# KiCad board board_delta.kicad_pcb (continued)
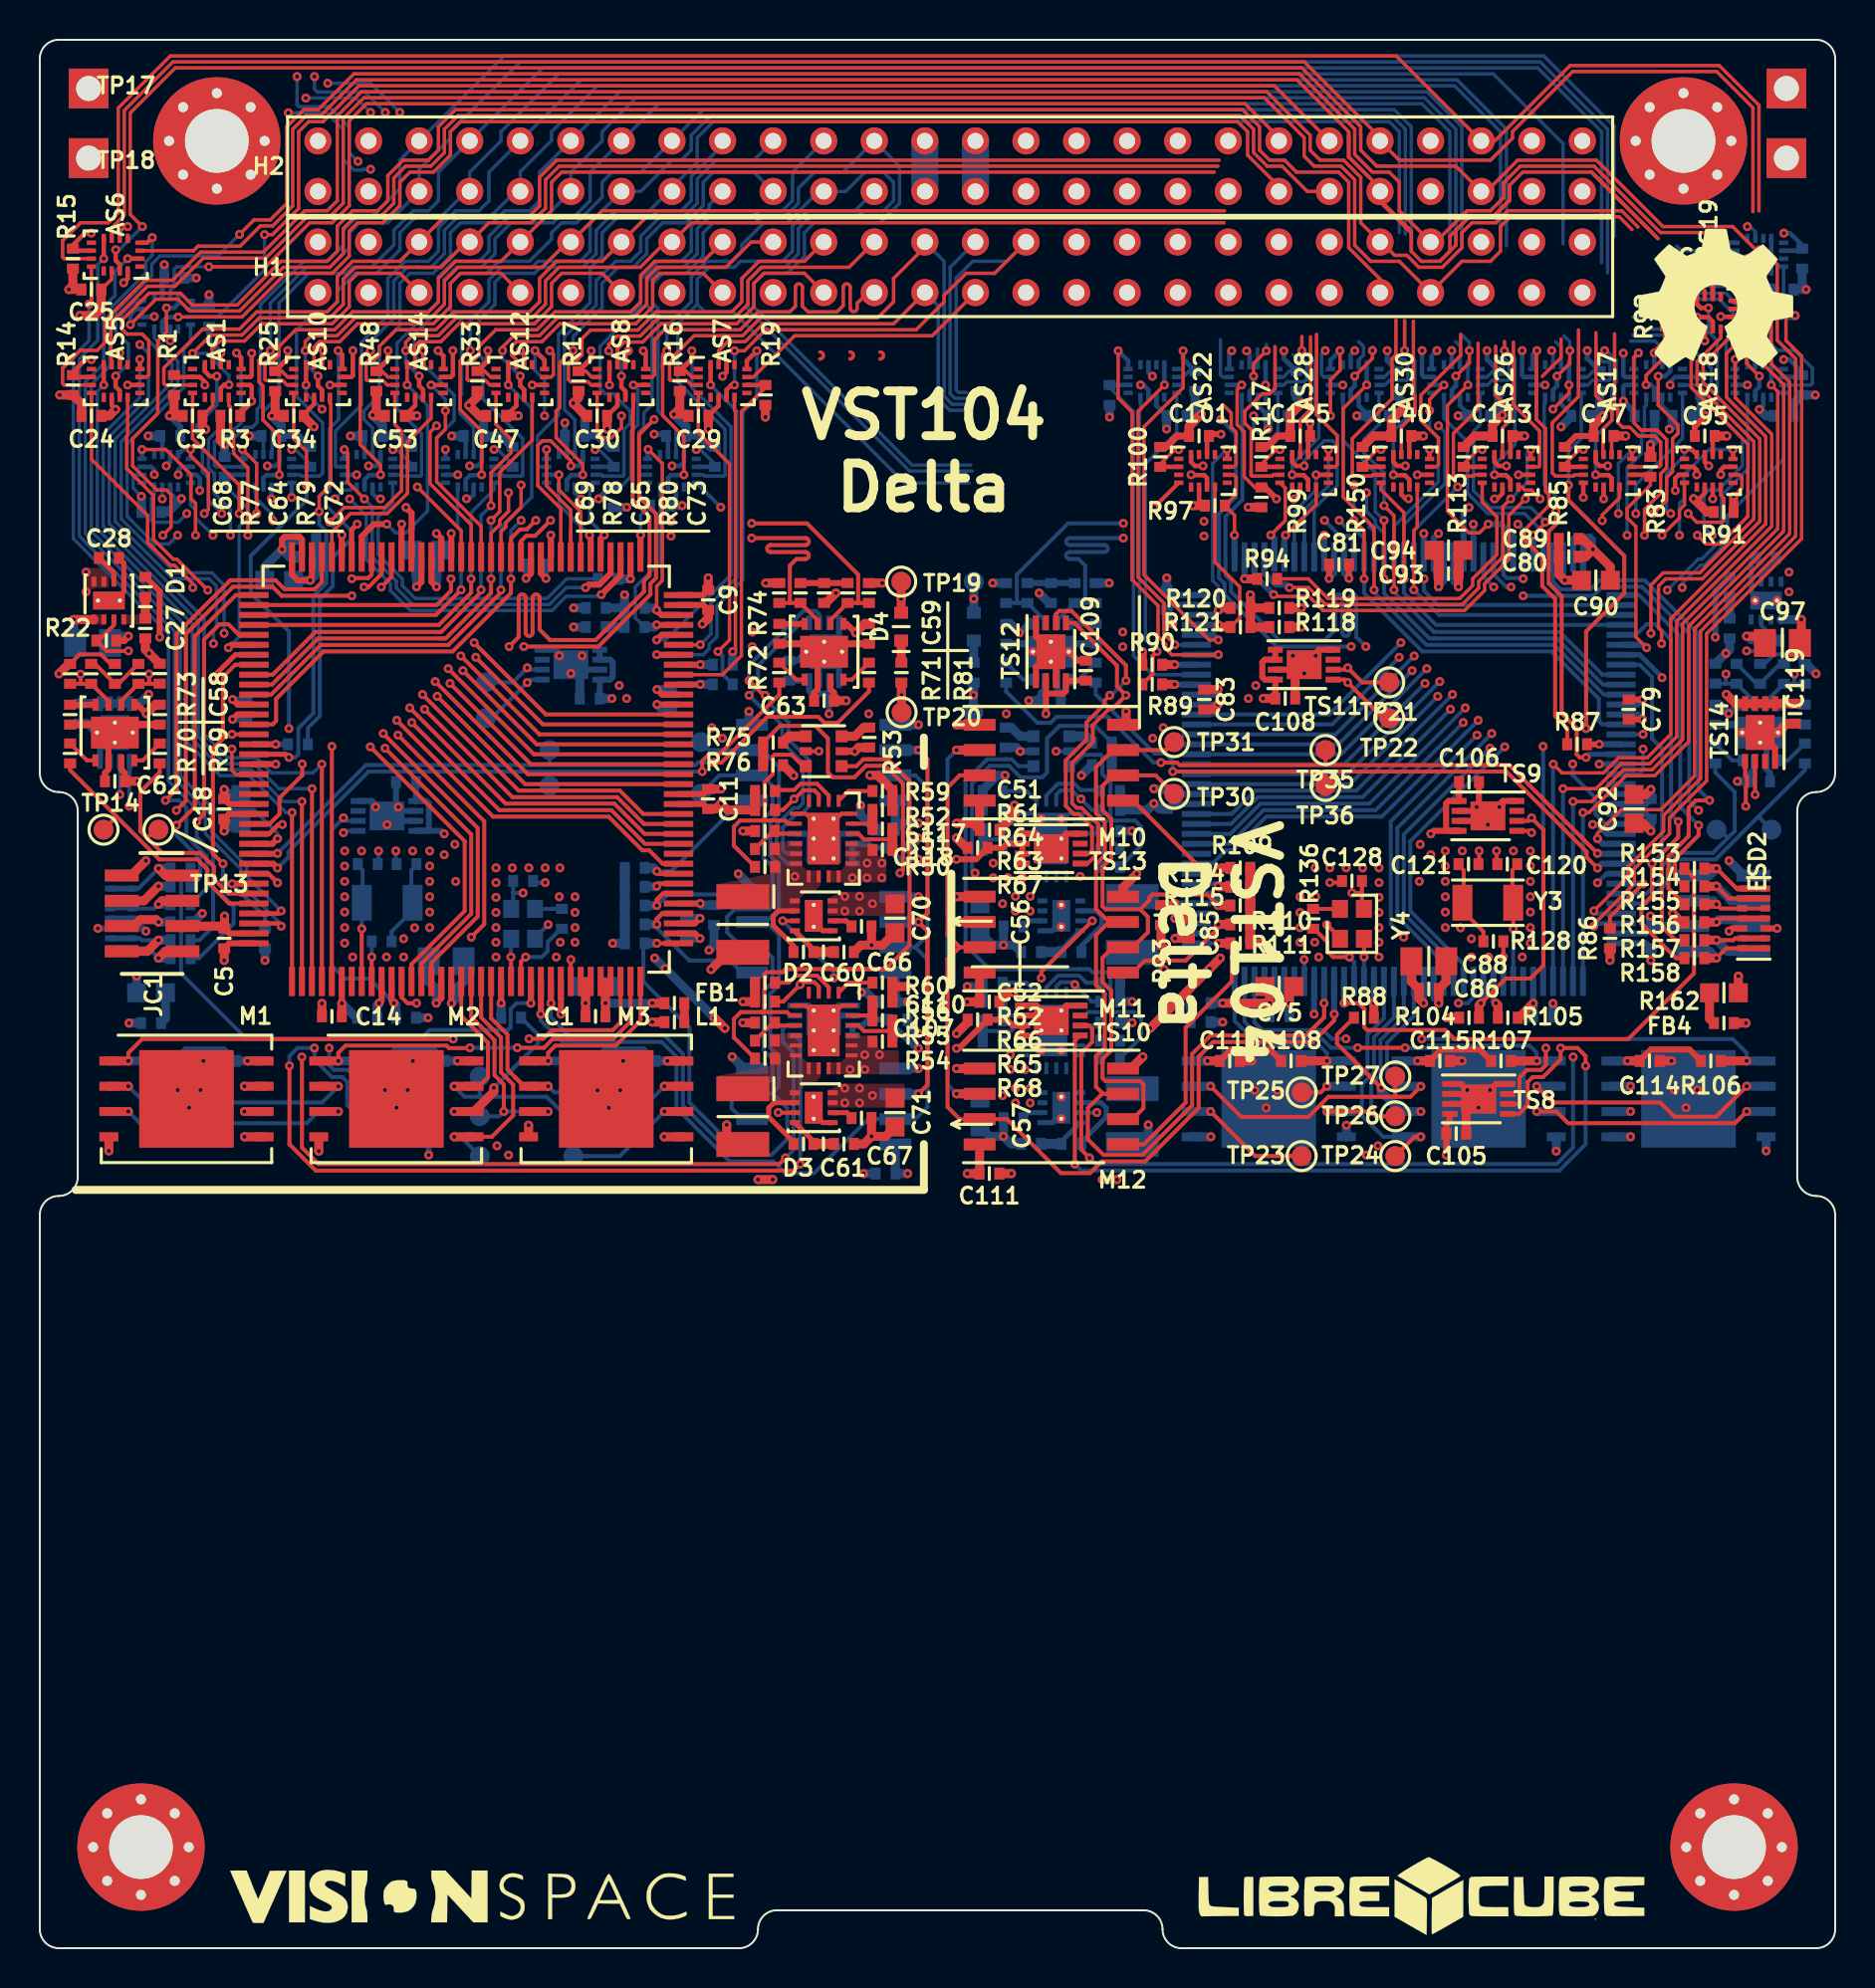
[diagram p0: board, top side]
## Routing (per net, layer and track width the routed paths; a pad name or vN(x,y) marks a point on that pad's centre or on a via; arc(x,y) is an arc through that point) (continued)
  Bottom w0.2: 65,47.5 U4.26
  Bottom w0.3: U4.26 65,46.94 v1(65.01,46.93)
/OBC_right/I2C2_EN: length 11.5
  In2.Cu w0.2: v1(85.72,65.18) 85.01,64.47 84.47,64.47 80.99,60.99 v1(80.52,60.99)
  Bottom w0.2: Q4.3 86.45,66.48 87.23,65.7 R103.1 86.8,65.17 85.9,65.17 85.89,65.18 v1(85.72,65.18) 85.82,65.18 ; v1(80.52,60.99) 79.42,60.99 U4.123
/OBC_right/I2C2_SCL: length 126
  Top w0.19: TS13.2 52.67,55 52.85,55.17 52.85,56.32 52.19,56.98 51.94,56.98 51.53,57.39 51.53,59.68 52.57,60.73 52.57,61.59 53.48,62.51 53.48,62.69 v1(53.74,62.95)
  Top w0.2: v1(75.64,45.23) 75.64,44.37 75.39,44.13 74.69,44.13 74.32,43.75 74.32,42.45 74.29,42.42 TS8.2 ; v1(52.72,39.71) 52.31,40.12 52.31,44.98 52.85,45.53 52.85,46.19 52.68,46.36 TS10.2 ; v1(72.38,47.48) 73.62,48.72 74.86,48.72 75.52,49.38 75.52,56.19 v1(74.92,56.79) 74.77,56.64 TS9.2 ; v1(86.15,57.96) TS14.2 ; TS12.2 51.03,67.02 51.2,67.19 51.81,67.19 54.55,64.45 v1(54.55,63.69) ; TS11.2 65.6,64.24 v1(65.69,64.33) 66.42,63.6 TP21.1
  Top w0.45: v1(72.38,47.48) 72.28,47.38 R104.2
  In2.Cu w0.2: v1(54.55,63.69) 55.19,63.05 57.85,63.05 59.07,64.27 63.05,64.27 63.28,64.5 63.84,64.5 64.01,64.33 v1(65.69,64.33) 65.69,64.26 66.14,63.81 66.14,63.6 71.63,58.12 73.66,58.12 74.92,56.85 v1(74.92,56.79) ; v1(86.15,57.96) 86.15,56.86 82.79,53.5 82.79,48.54 79.03,44.78 77.02,44.78 v1(77.01,44.78) 77.01,44.77 76.09,44.77 v1(75.64,45.23) 74.63,45.23 v1(72.38,47.48)
  Bottom w0.2: v1(53.74,62.95) 53.81,62.95 v1(54.55,63.69) ; v1(52.72,39.71) 53.03,39.4 76.18,39.4 77,40.22 77,44.77 v1(77.01,44.78)
  Bottom w0.3: U4.11 72.5,47.6 v1(72.38,47.48)
/OBC_right/I2C2_SDA: length 125.8
  Top w0.19: TS13.1 52.62,54.5 53.16,55.04 53.16,56.45 52.32,57.29 52.08,57.29 51.84,57.53 51.84,59.55 52.89,60.6 52.89,61.45 53.73,62.29 53.89,62.29 ; v1(54.55,62.95) 53.89,62.29 ; 53.89,62.29 54.12,62.52
  Top w0.2: v1(77.63,44.33) 77.63,44.82 77.23,45.23 76.37,45.23 v1(76.38,45.23) 76.38,44.65 75.5,43.77 74.98,43.77 74.73,43.52 74.73,42.36 74.29,41.92 TS8.1 ; TS10.1 51.98,45.59 v1(51.98,39.4) ; TS12.1 51.95,66.59 54.1,64.44 54.1,63.4 v1(54.55,62.95) 54.12,62.52 ; TP22.1 67.48,61.8 v1(65.69,63.59) 65.54,63.74 TS11.1 ; v1(85.68,57.38) 85.68,58.33 85.74,58.39 85.74,58.85 85.65,58.94 TS14.1 ; v1(74.92,56.05) 74.83,56.14 TS9.1
  Top w0.45: v1(73.13,47.48) 73.23,47.38 R105.2
  In2.Cu w0.2: v1(54.55,62.95) 54.78,62.72 57.98,62.72 59.15,63.89 62.99,63.89 63.29,63.59 v1(65.69,63.59) 71.49,57.79 73.52,57.79 74.37,56.94 74.37,56.6 v1(74.92,56.05) 75.12,56.05 75.52,55.65 75.52,49.39 74.85,48.72 74.37,48.72 v1(73.13,47.48) 74.93,45.68 75.93,45.68 v1(76.38,45.23) 76.38,45.23 79.01,45.23 82.46,48.68 82.46,53.91 85.68,57.13 v1(85.68,57.38)
  Bottom w0.2: v1(77.63,44.33) 77.63,40.39 76.31,39.07 52.31,39.07 v1(51.98,39.4)
  Bottom w0.3: v1(73.13,47.48) 73,47.61 U4.10
/OBC_right/I2C3_EN: length 18.8
  In2.Cu w0.173: v1(64.52,71.74) 62.54,71.74 60.49,73.79 60.49,77.04 59.62,77.9 59.62,78.87 60.57,79.82 62.04,79.82 v1(62.48,80.26)
  Bottom w0.173: AS21.6 62.45,78.94 62.75,79.24 R96.1
  Bottom w0.2: v1(64.52,71.74) 65.3,70.96 65.74,70.96 66,70.7 U4.85
  Bottom w0.25: v1(62.48,80.26) 62.48,79.87 R96.1
/OBC_right/I2C3_SCL: length 22.2
  Top w0.45: R119.2 v1(63.36,67.34)
  In2.Cu w0.173: v1(61.56,78.54) 63.92,78.54 65.26,77.2 65.26,73.19 66.77,71.68 66.77,71.41 ; 66.77,71.41 66.37,71 65.86,71 64.01,69.15 64.01,67.99 v1(63.36,67.34) ; 66.77,71.41 67.18,71 69.43,71 v1(69.51,71.08)
  Bottom w0.225: AS21.4 v1(61.56,78.54)
  Bottom w0.3: v1(69.51,71.08) 69.5,71.07 U4.92
/OBC_right/I2C3_SDA: length 34.8
  Top w0.45: R118.2 v1(63.36,66.38)
  In2.Cu w0.173: v1(60.96,76.99) 59.92,78.03 59.92,78.75 60.6,79.42 63.46,79.42 65.56,77.32 65.56,73.31 67.07,71.8 67.07,71.53 67.3,71.3 69.08,71.3 69.3,71.52 69.81,71.52 v1(70.25,71.08) 69.81,70.64 65.92,70.64 64.31,69.03 64.31,67.33 v1(63.36,66.38)
  Bottom w0.173: v1(60.96,76.99) 60.96,76.4 61.47,75.89 61.89,75.89 62.18,76.18 AS21.8
  Bottom w0.3: U4.93 70,70.83 v1(70.25,71.08)
/OBC_right/I2C4_EN: length 4.9
  Top w0.173: v1(60,71) 60,72 R97.1 60.08,73.04 60.08,73.91 59.97,74.03 AS22.6
  Bottom w0.3: U4.73 60,71 v1(60,71)
/OBC_right/I2C4_SCL: length 9.5
  Top w0.173: R121.2 60.26,66.84 60.26,68.4 59.02,69.64 AS22.4
  Top w0.45: v1(59.19,66.49) 59.3,66.38 R121.2
  Bottom w0.3: v1(59.19,66.49) 59.19,66.49 U4.69
/OBC_right/I2C4_SDA: length 10.8
  Top w0.225: AS22.8 59.64,75.29 v1(59.62,75.31)
  Top w0.45: R120.2 59.3,67.34 v1(59.19,67.23)
  Bottom w0.173: v1(59.62,75.31) 58.91,74.6 58.91,68.71 59.19,68.43 v1(59.19,67.23)
  Bottom w0.3: U4.70 58.95,66.99 v1(59.19,67.23)
/OBC_right/MODE: length 13.5
  Top w0.45: R90.2 v1(55.37,65.15)
  Bottom w0.173: v1(55.37,65.15) 55.23,65.29 55.23,77.22 55.28,77.27 AS20.12
/OBC_right/NRST: length 26.8
  Top w0.2: R153.2 83.08,53.77 83.08,48.98 79.77,45.68 71.05,45.68 70.59,46.13 66.66,46.13 66.52,46.27 66.52,47.19 66.23,47.48 v1(65.51,47.48)
  Bottom w0.3: U4.25 65.5,47.49 v1(65.51,47.48)
/OBC_right/OSC32_IN: length 6
  Top w0.2: C120.1 74.2,54.41 73.96,54.17 73.96,52.57 Y3.1 74,52.53 v1(74,51.22)
  Bottom w0.2: v1(74,51.22) 74,51.22 U4.8
/OBC_right/OSC32_OUT: length 2
  Top w0.2: R128.2 73.5,49.8 v1(73.5,49.8)
  Bottom w0.2: U4.9 73.5,49.8 v1(73.5,49.8)
/OBC_right/OSC_EN: length 4
  Top w0.2: R136.1 64,51.22 64.67,50.55 64.67,50.1 64.96,49.8 v1(65.77,49.8)
  Bottom w0.2: v1(65.77,49.8) 66,49.57 U4.24
/OBC_right/OSC_IN: length 2.2
  Top w0.2: Y4.3 66.51,50.71 v1(66.51,49.8) 66.5,49.81
  Bottom w0.2: U4.23 66.5,49.79 v1(66.51,49.8)
/OBC_right/Q0: length 35.8
  Top w0.2: 69.04,40.77 TP24.1 ; 69.04,40.77 v1(69.36,40.77) ; 69.04,40.77 69.05,40.77
  In2.Cu w0.2: v1(69.36,40.77) v1(58.81,40.77) ; v1(79.89,40.77) 69.1,40.77
  Bottom w0.2: M8.5 67.47,40.77 66.4,41.84 66.4,43.39 67.01,44 67.01,45.76 68,46.76 U4.20
  Bottom w0.45: M8.5 69.35,40.77 v1(69.36,40.77) ; M7.5 79.89,40.77 v1(79.89,40.77) ; v1(58.81,40.77) 58.81,40.77 M9.5
/OBC_right/Q1: length 34
  Top w0.2: v1(64.64,43.31) 64.33,43 TP25.1 ; v1(85.72,43.31) 84.19,41.78 82.09,41.78 81.38,42.49 75.99,42.49 v1(75.18,43.3)
  In2.Cu w0.2: v1(75.18,43.3) 74.58,43.9 65.23,43.9 v1(64.64,43.31)
  Bottom w0.2: 65.85,43.31 66.33,43.78 ; 65.85,43.31 66.33,43.78 ; 65.85,43.31 M9.2 ; 66.33,43.78 66.68,44.14 66.68,45.39 ; U4.21 67.5,46.72 66.68,45.9 66.68,45.46
  Bottom w0.45: M9.2 64.65,43.31 v1(64.64,43.31) ; v1(75.18,43.3) 75.19,43.31 M8.2 ; M7.2 85.73,43.31 v1(85.72,43.31)
/OBC_right/Q2: length 33.8
  Top w0.2: v1(85.72,42.04) 85.13,41.45 76.76,41.45 76.17,42.04 v1(75.18,42.04) ; 64.71,42.04 v1(66.87,42.04) 67.11,41.8 TP26.1 ; v1(64.65,42.04) 64.96,42.04
  In2.Cu w0.2: v1(66.87,42.04) 67.45,41.45 74.59,41.45 v1(75.18,42.04)
  Bottom w0.2: U4.19 68.5,46.8 67.33,45.63 67.33,43.86 66.87,43.4 v1(66.87,42.04)
  Bottom w0.45: v1(75.18,42.04) 75.18,42.04 M8.3 ; v1(85.72,42.04) 85.73,42.04 M7.3 ; M9.3 v1(64.65,42.04)
/OBC_right/Q3: length 33.2
  Top w0.2: TP27.1 68.08,42.8 68.1,42.78 ; 68.1,42.78 64.72,42.78 63.71,41.77 60.34,41.77 v1(58.8,43.31) ; 68.1,42.78 68.84,42.78 v1(69.36,43.3)
  In2.Cu w0.2: v1(79.89,43.31) 79.43,42.85 74.81,42.85 74.09,43.57 69.63,43.57 v1(69.36,43.3)
  Bottom w0.2: M8.7 68.11,43.31 67.66,43.76 67.66,45.49 69,46.83 U4.18
  Bottom w0.45: v1(79.89,43.31) 79.89,43.31 M7.7 ; M9.7 58.8,43.31 v1(58.8,43.31) ; M8.7 69.35,43.31 v1(69.36,43.3)
/OBC_right/QSPI_CS1: length 34
  Top w0.45: R106.2 v1(85.72,44.58)
  In2.Cu w0.2: 69.4,45.69 v1(65.6,45.69) 69.4,45.69 ; 69.4,45.69 v1(69.41,45.68) 69.4,45.69
  Bottom w0.2: 65.48,45.7 65.51,45.67 ; v1(69.41,45.68) 85.03,45.68 85.72,44.99 v1(85.72,44.58) ; U4.34 61,46.52 61.4,46.13 64.45,46.13 64.89,45.69 v1(65.6,45.69)
  Bottom w0.45: v1(85.72,44.58) 85.73,44.58 M7.1
/OBC_right/QSPI_CS2: length 20.1
  Top w0.2: v1(66.19,45.24) v1(68.57,45.24)
  Top w0.45: R107.2 v1(75.18,44.58)
  Bottom w0.2: v1(75.18,44.58) 75.18,44.99 74.82,45.35 69.75,45.35 69.62,45.23 68.58,45.23 v1(68.57,45.24) ; v1(66.19,45.24) 64.85,45.24 64.41,45.68 63.95,45.68 61.39,45.68 60.5,46.56 U4.35
  Bottom w0.45: M8.1 75.18,44.58 v1(75.18,44.58)
/OBC_right/QSPI_CS3: length 10
  Top w0.45: R108.2 v1(64.64,44.58)
  Bottom w0.2: U4.36 60,46.6 61.25,45.35 64.28,45.35 64.64,44.99 v1(64.64,44.58)
  Bottom w0.45: v1(64.64,44.58) 64.65,44.58 M9.1
/OBC_right/SI: length 39.1
  Top w0.3: M11.5 46.55,52.83
  Top w0.45: M12.5 46.04,44.2 v1(46.04,44.2) ; M11.5 46.04,52.83 v1(46.04,52.83) ; R114.2 59.22,53.33 v1(59.18,53.36) ; v1(46.04,61.47) 46.04,61.47 M10.5
  In2.Cu w0.2: v1(46.04,52.83) 45.59,52.38 45.59,44.65 v1(46.04,44.2) ; v1(46.04,52.83) 47.69,51.18 49.18,51.18 49.49,50.87 56.2,50.87 56.63,51.29 57.43,51.29 59.18,53.05 v1(59.18,53.36) ; v1(46.04,52.83) 45.59,53.28 45.59,61.02 v1(46.04,61.47)
  Bottom w0.225: v1(59.18,53.36) 59.06,53.49 U4.43
/OBC_right/SO: length 35.4
  Top w0.2: M12.2 54.88,41.66 55.43,42.21 55.43,43.41 55.26,43.57 53.52,43.57 53.37,43.71 53.37,44.68 53.81,45.12 53.81,48.1 53.37,48.54 53.37,49.76 53.9,50.29 M11.2 ; M11.2 54.9,50.29 55.65,51.04 55.65,51.82 55.27,52.2 ; M11.2 53.9,50.29 ; M10.2 56.04,58.93 TP30.1 ; M10.2 53.9,58.93 53.37,58.4 53.37,57.18 53.81,56.74 53.81,54.77 53.37,54.33 53.37,52.35 53.52,52.2 55.27,52.2 ; M10.2 53.9,58.93 ; 55.27,52.2 55.72,52.65 55.72,52.78 55.88,52.94 58.63,52.94 v1(59.18,52.39)
  Top w0.45: R115.2 v1(59.18,52.39)
  Bottom w0.225: U4.42 58.87,52.99 59.18,52.68 v1(59.18,52.39)
/OBC_right/SPI1_CS1: length 8.1
  Top w0.2: M10.1 54.91,57.66 58.46,54.11 v1(59.18,54.11)
  Top w0.45: v1(59.18,54.11) 59.35,54.28 R109.2
  Bottom w0.225: U4.44 59.06,53.99 v1(59.18,54.11)
/OBC_right/SPI1_CS2: length 8
  Top w0.2: M11.1 54.9,49.02 55.5,49.62 57.55,49.62 59.18,51.25 v1(59.18,51.44) ; R110.2 59.74,51.44
  Top w0.45: R110.2 v1(59.18,51.44)
  Bottom w0.225: U4.40 58.91,51.99 59.18,51.72 v1(59.18,51.44)
/OBC_right/SPI1_CS3: length 15.2
  Top w0.2: R111.2 59.86,50.42 59.86,48.57 57.55,46.26 57.55,42.49 55.45,40.39 M12.1 54.91,40.39
  Top w0.45: R111.2 v1(59.18,50.49)
  Bottom w0.2: U4.37 59.18,50.49 v1(59.18,50.49)
/OBC_right/SPI1_~{WP}: length 47.5
  Top w0.173: v1(64.5,47.48) 64.5,46.78 63.72,46
  Top w0.2: 53.4,42.93 53.05,43.28 53.05,44.82 53.05,44.82 53.49,45.25 53.49,47.95 53.05,48.39 53.05,50.91 53.7,51.56 M11.3 53.7,51.56 53.05,52.21 53.05,54.46 53.49,54.9 53.49,56.59 53.05,57.03 53.05,59.35 53.9,60.2 M10.3 56.57,60.2 TP31.1 ; 53.4,42.93 M12.3 ; 53.4,42.93 53.35,42.93 52.63,42.21 52.63,40.64 53.42,39.86 55.38,39.86 57.87,42.35 57.87,44.93 58.8,45.86 63.6,45.86 64.5,46.76 v1(64.5,47.48)
  Bottom w0.3: v1(64.5,47.48) 64.5,47.48 U4.27
/OBC_right/SPI2_CS1: length 7.7
  Top w0.173: AS26.4 74.44,73.41 74.59,73.26 74.91,73.26 v1(75.35,72.82)
  In2.Cu w0.173: v1(75.35,72.82) 74.91,72.38 71.78,72.38 v1(71.78,72.39)
  Bottom w0.3: v1(71.78,72.39) 71.5,72.11 71.5,71.31 71.5,71.3 U4.96
/OBC_right/SPI2_CS2: length 26.5
  Top w0.225: AS17.16 77.52,72.89 v1(77.52,72.89)
  In2.Cu w0.173: 77.52,72.87 v1(77.52,72.89) 77.52,72.05 75.06,69.59 75.06,67.86 74.71,67.51 73.52,67.51 ; v1(68.36,65.6) 70.27,67.51 73.52,67.51 ; 73.82,67.51 73.52,67.51
  Bottom w0.2: U4.60 64.76,61.99 68.33,65.56 68.33,65.57 v1(68.36,65.6)
/OBC_right/SPI2_EN: length 12.4
  Top w0.173: R113.1 71.51,74.57 72.23,75.29 v1(72.44,75.29)
  Top w0.225: AS26.6 v1(74.26,74.03) ; AS26.14 R113.1
  In2.Cu w0.173: v1(71.21,73.42) 71.21,74.06 v1(72.44,75.29) 73.49,75.29 74.26,74.52 v1(74.26,74.03)
  Bottom w0.173: U4.91 69,71.21 v1(71.21,73.42)
/OBC_right/SPI2_MISO: length 22.2
  Top w0.173: v1(61.97,68.01) 62.06,67.92 63.74,67.92 64.45,67.21 71.56,67.21 72.56,68.22 72.56,68.56 73.78,69.77 73.78,71.99 v1(74.61,72.82)
  Top w0.225: v1(73.66,74.48) 73.26,74.48 73.06,74.67 AS26.12
  In2.Cu w0.173: v1(73.66,74.48) 73.66,73.77 v1(74.61,72.82)
  Bottom w0.3: U4.75 61,68.98 v1(61.97,68.01)
/OBC_right/SPI2_MOSI: length 21.1
  Top w0.173: v1(62.76,68.36) 63.72,68.36 64.57,67.51 71.43,67.51 72.26,68.34 72.26,68.68 73.48,69.9 73.48,72.43 v1(73.87,72.82)
  Top w0.225: AS26.8 74.88,75.3 v1(74.88,75.3)
  Bottom w0.173: v1(74.88,75.3) 74.7,75.12 74.7,73.65 v1(73.87,72.82)
  Bottom w0.3: v1(62.76,68.36) 62.61,68.51 62.07,68.51 61.5,69.08 U4.76
/OBC_right/SPI2_SCK: length 16.5
  Top w0.173: R94.1 63.71,68.8 64.7,67.81 71.31,67.81 71.96,68.46 71.96,68.8 73.18,70.02 73.18,71.91 72.44,72.65 AS26.16
/OBC_right/SPI3_CS1: length 14.7
  Top w0.173: v1(76,77.33) 76.8,78.13 v1(76.8,78.54)
  In2.Cu w0.173: v1(72,71.55) 71.68,71.55 70.77,72.46 70.77,74.99 73.33,77.55 75.77,77.55 v1(76,77.33)
  Bottom w0.225: AS25.4 v1(76.8,78.54)
  Bottom w0.3: v1(72,71.55) 72,71.55 U4.97
/OBC_right/SPI3_CS2: length 39.4
  Top w0.17: 81.4,73.9 81.4,73.1 80.6,72.29 80.6,72.2
  Top w0.173: 80.6,72.2 v1(80.6,70.99) ; v1(80.29,80.15) 80.07,79.93 80.07,76.64 80.42,76.28 81.22,76.28 81.7,75.8 81.7,74.38 81.4,74.08 81.4,73.9
  In2.Cu w0.173: v1(70.31,63.64) 72.38,65.71 75.54,65.71 80.6,70.77 v1(80.6,70.99)
  Bottom w0.2: U4.54 65.66,58.99 v1(70.31,63.64)
  Bottom w0.225: AS16.16 80.06,79.92 v1(80.29,80.15)
/OBC_right/SPI3_EN: length 20
  In2.Cu w0.173: v1(70.25,76.49) 70.25,76.66 71.02,77.43 71.33,77.43 72.44,78.54 v1(75.6,78.54) 75.6,79.04 76.4,79.83 77.28,79.83 v1(77.72,80.27)
  Bottom w0.173: v1(70.25,76.49) 70.57,76.17 70.57,73.58 68.5,71.52 U4.90 ; R112.1 78.02,79.24 77.72,78.94 AS25.6
  Bottom w0.225: AS25.14 v1(75.6,78.54)
  Bottom w0.25: v1(77.72,80.27) 77.72,79.87 R112.1
/OBC_right/SPI3_MISO: length 21.3
  Top w0.2: v1(77.66,59.83) 77.34,59.83 77.19,59.98 77.19,61.29 76.43,62.04 76.43,67.93 75.78,68.58 75.78,71.18 76.14,71.54 v1(76.14,72.18)
  Bottom w0.173: v1(76.14,72.18) 76.14,72.95 75.56,73.53 75.56,77.58 75.6,77.62 AS25.12
  Bottom w0.25: v1(77.66,59.83) 77.82,59.99 U4.125
/OBC_right/SPI3_MOSI: length 22.3
  Top w0.2: 76.76,73.5 v1(76.77,73.51) 76.77,72.76 79.58,69.95 79.58,68.07 77.66,66.16 v1(77.66,61.28)
  In2.Cu w0.2: v1(78.32,59.49) 78.32,59.82 77.66,60.48 v1(77.66,61.28)
  Bottom w0.173: AS25.8 77.42,75.85 76.77,75.2 v1(76.77,73.51)
  Bottom w0.3: U4.126 79.41,59.49 v1(78.32,59.49)
/OBC_right/SPI3_SCK: length 28
  Top w0.173: 75.16,80.24 v1(75.19,80.27) ; 75.16,80.24 75.16,76.82 ; 75.16,80.24 75.16,77.98 ; 75.16,78.33 75.16,77.98 ; 75.16,77.98 75.16,76.82 ; 75.16,76.82 75.62,76.35 75.62,73.2 75.79,73.03 75.79,72.48 74.56,71.25 74.56,70.77 75.46,69.88
  Top w0.2: R87.2 76.71,61.31 76.11,61.91 76.11,67.79 75.46,68.44 75.46,69.88 74.55,70.78 74.55,71.2 74.58,71.23
  Bottom w0.225: AS25.16 74.98,80.06 v1(75.19,80.27)
/OBC_right/SW_CLK: length 17.5
  Top w0.2: v1(83.31,56.42) 83.31,55.92 82.12,54.73 82.12,53.83 R154.2
  Bottom w0.2: v1(83.31,56.42) 82.39,57.34 82.39,65.92 80.32,67.99 U4.109
/OBC_right/SW_DIO: length 25.4
  Top w0.2: v1(83.86,57.67) 83.17,57.67 82.81,57.31 82.81,55.88 81.8,54.87 81.8,53.25 R155.2
  Bottom w0.2: v1(83.86,57.67) 83.3,58.23 83.3,66.03 80.6,68.73 78.33,68.73 77.88,68.28 76.37,68.28 76,68.65 U4.105 76.01,69.89
/OBC_right/SW_O: length 12.9
  Top w0.45: v1(82.01,51.99) 82.45,51.55 R156.2
  In2.Cu w0.2: v1(77.99,56.46) 77.78,56.25 77.78,53.31 78.78,52.31 81.69,52.31 v1(82.01,51.99)
  Bottom w0.2: 78.66,55.99 78.25,56.4 77.96,56.5 ; 78.66,55.99 U4.133 ; 78.66,55.99 78.19,56.46 v1(77.99,56.46)
  Bottom w0.225: U4.133 78.65,55.99 78.18,56.46 v1(77.99,56.46)
/OBC_right/SYNC: length 16.5
  Top w0.173: v1(57,65.49) 56.46,66.03 56.46,67.58 55.16,68.88 55.16,77.22 v1(56.48,78.54)
  Bottom w0.173: v1(57,65.49) 57,65.49 U4.67
  Bottom w0.225: AS20.4 v1(56.48,78.54)
/OBC_right/TEMP_VDD: length 161.2
  Top w0.3: TS11.5 TS11.6 61.53,64.74 61.4,64.61 61.4,63.87 61.53,63.74 TS11.8 C108.2 ; 85.17,62.53 TS14.8 TS14.7 TS14.6 TS14.5 C119.1 ; v1(46.04,54.71) 47.02,54.71 C118.1 ; 70.64,39.85 v1(70.64,39.85) C105.1 70.64,41.41 70.81,41.59 TS8.8 ; TS13.6 48.57,55.5 48.36,55.29 C118.1 ; TS13.6 48.56,55.5 ; TS13.6 TS13.7 TS13.8 ; v1(69.86,55.99) 70.01,56.14 TS9.8 70.76,56.14 ; C106.1 TS9.5 70.76,57.64 70.63,57.51 70.63,56.27 ; v1(46.04,45.21) 46.16,45.21 C107.1 48.56,46.65 48.85,46.36 TS10.7 TS10.8 ; C118.1 47.7,55.19 ; 50.53,62.98 TS12.6 50.52,63.68 ; 50.53,62.98 50.59,63.04 51.4,63.04 51.53,63.17 TS12.8 C109.1 ; 50.53,62.98 v1(50.53,62.02)
  Top w0.45: v1(84.7,63) 85.17,62.53 C119.1 ; C108.2 v1(61.44,62.79)
  In2.Cu w0.45: v1(66.63,39.85) 65.4,38.62 v1(54.1,38.62) v1(53.36,38.62) ; v1(66.63,39.85) v1(67.21,40.32) 67.82,39.86 ; v1(66.63,39.85) 66.63,39.85 v1(70.64,39.85) ; v1(60.7,62.79) 59.82,61.91 55.56,61.91 55.21,61.56 50.99,61.56 v1(50.53,62.02) ; v1(60.7,62.79) v1(61.07,63.44) v1(61.44,62.79) ; v1(60.7,62.79) v1(61.44,62.79) ; v1(69.86,55.99) v1(69.33,55.46) v1(69.86,54.94) v1(69.86,55.99) ; v1(69.86,55.99) 69.86,56.82 66.54,60.14 64.09,60.14 v1(61.44,62.79) ; v1(48.54,62.02) 46.62,60.1 46.62,55.29 v1(46.04,54.71)
  In3.Cu w0.45: v1(69.86,54.94) 69.86,49 67.97,47.11 67.97,41.08 v1(67.21,40.32) v1(66.63,39.85) ; v1(69.86,54.94) v1(69.86,55.99) 69.33,55.46 v1(69.33,55.46) 69.34,55.46 v1(69.86,54.94) ; v1(46.04,45.21) 45.46,44.63 45.46,42.65 48.23,39.89 49.72,39.89 50.99,38.62 v1(53.36,38.62) v1(54.1,38.62) ; 70.07,66.81 69.64,67.24 65.04,67.24 63.39,65.59 62.74,65.59 61.07,63.93 v1(61.07,63.44) ; 70.07,66.81 70.14,66.74 ; 70.07,66.81 70.16,66.72 82.52,66.72 ; v1(61.07,63.44) v1(61.44,62.79) v1(60.7,62.79) v1(61.07,63.44) ; v1(50.53,62.02) v1(48.54,62.02) ; v1(87.85,69.14) 87.85,68.15 v1(87.85,68.15) ; 87.85,68.22 87.85,67.46 87.11,66.72 83.16,66.72 ; 82.84,66.4 82.84,66.4 83.16,66.72 ; 82.84,66.4 82.84,63.53 83.37,63 v1(84.7,63) ; 82.84,66.4 82.52,66.72 ; 82.52,66.72 83.16,66.72
  Bottom w0.45: v1(54.1,38.62) v1(53.36,38.62)
/OBC_right/UART1_CTS: length 12.2
  Top w0.173: 75.57,71.57 v1(75,71) 75.62,71.62 v1(75.62,71.65)
  Bottom w0.173: 75.54,71.73 74.89,72.38 72.85,72.38 72,73.23 72,76.22 72.34,76.55 AS29.8 ; 75.54,71.73 75.57,71.7 ; 75.54,71.73 v1(75.62,71.65)
  Bottom w0.3: U4.103 75,71 v1(75,71)
/OBC_right/UART1_EN: length 16.2
  Top w0.173: v1(70.52,78.54) 69.8,77.82 v1(69.8,77.25)
  In2.Cu w0.173: v1(72.68,80.27) 71.83,79.42 70.91,79.42 70.52,79.04 v1(70.52,78.54)
  Bottom w0.173: AS29.6 72.69,78.94 72.99,79.24 R149.1 ; U4.89 68,71.44 70.24,73.68 70.24,75.88 69.8,76.32 v1(69.8,77.25)
  Bottom w0.225: AS29.14 v1(70.52,78.54)
  Bottom w0.25: R149.1 72.68,79.83 v1(72.68,80.27)
/OBC_right/UART1_RST: length 11.2
  Bottom w0.173: U4.104 75.5,71.14 74.57,72.08 72.73,72.08 71.7,73.11 71.7,75.69 70.52,76.87 AS29.12
/OBC_right/UART1_RX: length 16
  In2.Cu w0.173: v1(70.17,80.27) 69.36,79.46 69.36,76.76 70.24,75.88 70.24,72.57 71.69,71.11 73.79,71.11 v1(74.23,71.55)
  Bottom w0.225: v1(70.17,80.27) 69.9,80 AS29.16
  Bottom w0.25: U4.102 74.5,71.28 v1(74.23,71.55)
/OBC_right/UART1_TX: length 13
  Top w0.173: v1(72.74,71.55) 72.3,71.11 71.79,71.11 70.7,72.2 70.7,77.52 v1(71.72,78.54)
  Bottom w0.173: AS29.4 v1(71.72,78.54)
  Bottom w0.3: U4.101 74,70.94 73.39,71.55 v1(72.74,71.55)
/OBC_right/UART2_CTS: length 24.1
  Top w0.173: v1(68.01,68.25) 68.01,71.98 v1(67.51,72.48)
  Bottom w0.173: AS27.8 67.26,76.56 66.5,75.81 66.5,75.14 67.51,74.13 v1(67.51,72.48)
  Bottom w0.2: v1(68.01,68.25) 68.01,68.14 70.01,66.13 76.33,66.13 78.48,63.99 U4.117
/OBC_right/UART2_EN: length 15.9
  In2.Cu w0.173: v1(66,73.52) 66.58,74.1 66.58,77.4 v1(65.44,78.54) 65.44,79.04 65.83,79.42 66.82,79.42 v1(67.67,80.27)
  Bottom w0.173: v1(66,73.52) 66,72.4 66.77,71.63 66.77,71.41 67,71.17 U4.87 ; R116.1 67.83,79.24 67.53,78.94 AS27.6
  Bottom w0.225: v1(65.44,78.54) AS27.14
  Bottom w0.25: v1(67.67,80.27) 67.67,79.76 R116.1
/OBC_right/UART2_RST: length 24.7
  Top w0.173: v1(67.51,68.8) v1(67.51,71.74)
  Bottom w0.173: v1(67.51,71.74) 67.07,72.18 67.07,74.14 65.44,75.78 AS27.12
  Bottom w0.2: 70.05,65.81 76.2,65.81 78.52,63.49 U4.118 ; 70.05,65.81 69.88,65.81 ; 70.05,65.81 69.78,65.81 67.51,68.08 v1(67.51,68.8)
/OBC_right/UART2_RX: length 31
  Top w0.173: v1(66,71.74) 66.51,71.23 v1(66.51,68.8) ; v1(64.82,76.99) 64.82,78.8 65.3,79.28 v1(65.3,80.27)
  In2.Cu w0.173: v1(64.82,76.99) 64.28,76.45 64.28,74.77 64.96,74.09 64.96,72.78 v1(66,71.74)
  Bottom w0.2: U4.122 78.48,61.49 78.3,61.66 78.3,62.78 75.93,65.15 69.44,65.15 66.8,67.79 66.8,67.8 66.51,68.09 v1(66.51,68.8)
  Bottom w0.225: v1(65.3,80.27) 64.82,79.79 AS27.16
/OBC_right/UART2_TX: length 27.1
  Top w0.173: v1(67.01,68.25) 67.01,71.36 65.46,72.91 65.46,77.36 v1(66.64,78.54)
  Bottom w0.2: U4.119 78.55,62.99 76.06,65.48 69.65,65.48 67.01,68.12 v1(67.01,68.25)
  Bottom w0.225: AS27.4 v1(66.64,78.54)
/OBC_right/UART3_CTS: length 8
  Top w0.225: AS28.8 64.72,75.3 v1(64.72,75.3)
  Bottom w0.173: 63.5,70.87 U4.80 ; 63.5,70.87 63.5,71.07 ; 63.5,70.87 63.5,71.28 ; U4.80 63.5,69.9 ; U4.80 63.5,71.28 ; v1(64.72,75.3) 64.72,73.47 63.5,72.25 63.5,71.28
/OBC_right/UART3_EN: length 10.3
  Top w0.173: v1(62.28,75.29) 62.08,75.29 61.35,74.56 R117.1 ; 61.35,74.53 61.45,74.43
  Top w0.225: AS28.6 v1(64.1,74.03) ; AS28.14 R117.1
  In2.Cu w0.173: v1(64.1,74.03) 64.1,74.52 63.33,75.29 v1(62.28,75.29)
  Bottom w0.173: U4.79 63,72.18 64.1,73.27 v1(64.1,74.03)
/OBC_right/UART3_RST: length 9.6
  Top w0.225: AS28.12 62.9,74.67 63.1,74.48 v1(63.5,74.48)
  Bottom w0.173: v1(63.5,74.48) 63.5,74.73 64.51,75.74 64.93,75.74 65.16,75.51 65.16,73.48 64,72.33 U4.81
/OBC_right/UART3_RX: length 4.6
  Top w0.173: v1(62.57,71) 64.1,72.53 AS28.4 64.1,73.01
  Bottom w0.3: U4.78 62.5,70.94 v1(62.57,71)
/OBC_right/UART3_TX: length 4.3
  Top w0.173: 62.2,71.38 62.55,71.73 62.55,73.36 AS28.16 ; 62.2,71.38 v1(61.82,71) ; 62.2,71.38 62.28,71.46
  Bottom w0.3: U4.77 62,70.82 v1(61.82,71)
/OBC_right/UART4_CTS: length 40.1
  Top w0.225: v1(69.8,75.3) 69.8,75.3 AS30.8
  In2.Cu w0.173: 70.99,70.58 70.99,69.84 ; 70.99,70.58 70.99,69.77 72.81,67.95 v1(74.5,67.95) ; 70.99,70.58 70.99,71.39 69.92,72.46 69.92,75.18 v1(69.8,75.3)
  In2.Cu w0.2: v1(78.23,53.53) 78.73,53.03 80.89,53.03 81.42,53.56 81.42,56.41 82.18,57.17 v1(83.31,57.17)
  Bottom w0.2: v1(74.5,67.95) 78.02,67.95 78.48,68.4 80.47,68.4 82.84,66.03 82.84,57.64 v1(83.31,57.17)
  Bottom w0.225: v1(78.23,53.53) 78.69,53.99 U4.137
/OBC_right/UART4_EN: length 11.2
  Top w0.173: R150.1 66.43,74.56 67.17,75.3 v1(67.36,75.3)
  Top w0.225: AS30.14 R150.1 ; AS30.6 v1(69.18,74.03)
  In2.Cu w0.173: v1(66.63,73.13) 67.36,73.86 67.36,74 ; 67.36,74 67.77,73.59 68.74,73.59 v1(69.18,74.03) ; 67.36,74 v1(67.36,75.3)
  Bottom w0.173: U4.88 67.5,71.1 67.07,71.53 67.07,71.75 66.63,72.2 v1(66.63,73.13)
/OBC_right/UART4_RST: length 19.4
  Top w0.225: v1(68.58,74.48) 68.18,74.48 67.98,74.67 AS30.12
  In2.Cu w0.173: v1(69.52,68.8) 70.69,69.97 70.69,71.27 69.62,72.34 69.62,74.24 69.38,74.48 v1(68.58,74.48)
  Bottom w0.2: v1(69.52,68.8) 69.52,68.2 70.23,67.49 U4.110
/OBC_right/UART4_RX: length 17.6
  Top w0.173: v1(68.51,68.8) 68.51,72.13 67.36,73.28 AS30.16
  Bottom w0.2: U4.112 70.12,66.49 68.51,68.1 v1(68.51,68.8)
/OBC_right/UART4_TX: length 16.2
  Top w0.173: AS30.4 69.18,71.4 69.01,71.23 v1(69.01,68.25)
  Bottom w0.2: v1(69.01,68.25) 70.27,66.99 U4.111
/OBC_right/UART5_RX: length 17.7
  Top w0.2: v1(80.97,54.49) 80.97,53.7 80.97,53.7 80.97,52.88 80.44,52.35 80.44,51.48 82.18,49.74 R158.2
  Bottom w0.2: v1(80.97,54.49) 81.48,55 81.48,60.27 80.97,60.77 80.97,63.87 80.35,64.49 U4.116
/OBC_right/UART5_TX: length 19.4
  Top w0.2: R157.2 82.15,50.65 81.47,51.33 81.47,55 82.29,55.82 v1(82.29,56.6)
  Bottom w0.2: v1(82.29,56.6) 81.92,56.97 81.92,65.74 81.15,66.52 80.7,66.52 80.17,65.99 U4.113
/OBC_right/USER1_1: length 38.2
  Top w0.17: v1(81.03,72.08) 81.7,72.75 81.7,73.68 81.7,73.68
  Top w0.173: v1(81.28,78.98) 81.28,77.53 82.28,76.53 82.28,76.12 82,75.84 82,74.18 81.7,73.88 81.7,73.68
  In2.Cu w0.173: v1(70.21,62.9) 72.72,65.41 75.66,65.41 75.84,65.59 75.84,65.59 75.91,65.66 75.91,65.67 81.03,70.79 v1(81.03,72.08)
  Bottom w0.2: v1(70.21,62.9) 65.8,58.49 U4.53
  Bottom w0.225: AS16.4 81.88,79.23 81.63,78.98 v1(81.28,78.98)
/OBC_right/USER1_2: length 35.1
  In2.Cu w0.173: v1(69.57,63.55) 72.03,66.01 75.41,66.01 75.61,66.21 75.62,66.21 80.16,70.76 v1(80.16,72.08)
  Bottom w0.17: 80.16,73.14 80.16,73.52 81.29,74.65
  Bottom w0.173: 81.29,74.65 82.5,75.86 AS16.8 ; v1(80.16,72.08) 80.16,73.14
  Bottom w0.2: v1(69.57,63.55) 65.51,59.49 U4.55
/OBC_right/USER1_4: length 33.7
  In2.Cu w0.173: v1(79.72,70.99) 79.72,70.74 75.54,66.57 75.54,66.57 75.28,66.31 71.68,66.31 v1(69.66,64.29)
  Bottom w0.17: 80.44,75.34 80.44,75.1 79.72,74.38 79.72,73.3
  Bottom w0.173: 80.44,75.34 80.44,76.07 80.59,76.22 80.59,77.43 80.68,77.52 AS16.12 ; v1(79.72,70.99) 79.72,73.3
  Bottom w0.2: v1(69.66,64.29) 65.36,59.99 U4.56
/OBC_right/USER1_EN: length 19.1
  In2.Cu w0.173: v1(81.88,78.54) 80.63,77.29 78.87,77.29 78.73,77.43 78.31,77.43 76.34,75.45 76.34,73.23 76.58,72.98 76.58,71.96 73.89,69.27 v1(73.89,68.39)
  Bottom w0.2: U4.99 73,69.05 73.66,68.39 v1(73.89,68.39)
  Bottom w0.225: R82.2 83.33,78.94 AS16.6 82.13,78.94 81.88,78.69 v1(81.88,78.54)
/OBC_right/USER2_1: length 27.9
  Top w0.173: v1(78.47,71.73) 78.47,72.01 79.34,72.88 AS17.4
  In2.Cu w0.173: v1(78.47,71.73) 78.05,71.73 75.66,69.35 75.66,67.62 74.96,66.91 71.01,66.91 v1(69.03,64.93)
  Bottom w0.2: v1(69.03,64.93) 68.98,64.88 68.97,64.88 65.08,60.99 U4.58
